# Altium PCB STM32F7_CoreBoard.PcbDoc (part 6 of 8)
Units mm, origin at the board's own origin, x right, y up, seen from the top; angles counter-clockwise.
Board outline 65 x 50 mm, 6 copper layers (L1, L2, L3, L4, L5, L6), stack 1.597 mm thick; 114 components, 192 nets, 736 pads, 791 vias.
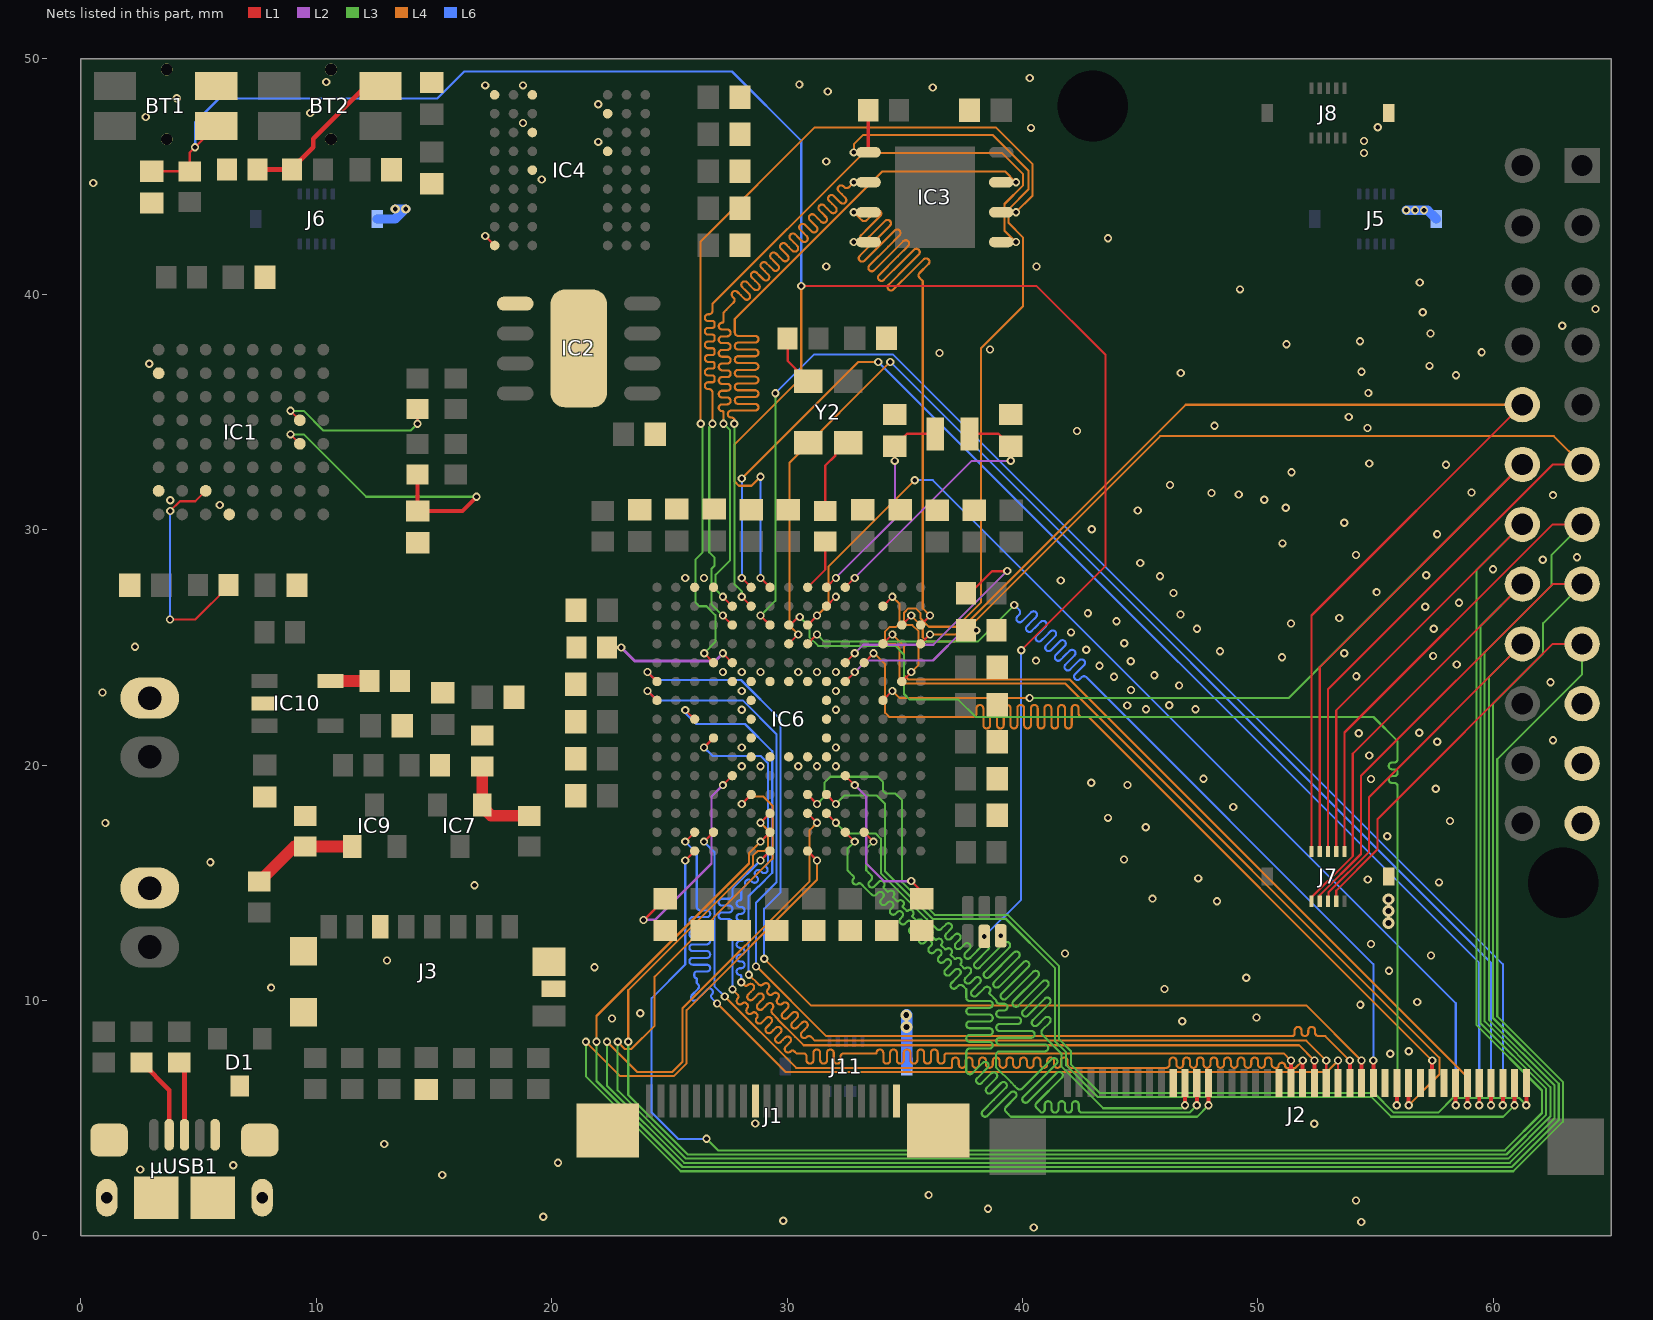
[diagram p10: the nets of this part, all layers, seen from the top]

## Via types
v1: diameter 0.35, hole 0.2, L1 to L6, tented both sides, 737 vias
v2: diameter 0.5, hole 0.25, L1 to L6, tented both sides, 20 vias
v3: diameter 0.4, hole 0.2, L1 to L6, tented both sides, 16 vias
v4: diameter 0.5, hole 0.2, L1 to L6, 12 vias
v5: diameter 0.5, hole 0.5, L1 to L6, 4 vias
v6: diameter 0.6, hole 0.3, L1 to L6, tented both sides, 2 vias

## Nets (pads, with @x,y where several pads share a name; then routed paths per layer and width w, separated by ;. In a path a pad name is that pad's centre, name@x,y a point inside that pad or via, vN(x,y) a via of type N, cw(c..) or ccw(c..) an arc to the next point about the centre after c; other vN are vias at no path point) (continued)
G5: IC6.E14 J2.13 | length 46.5
  L1 w0.089: IC6.E14@32.47,17.152 v1(32.87,16.752)
  L1 w0.169: v1(47.9,5.55) J2.13@47.9,6.5
  L3 w0.089: v1(32.87,16.752) 32.562,16.443 32.562,15.53 32.664,15.427 32.819,15.273 cw(c32.769,15.223) 32.819,15.174 ccw(c32.921,15.072) 32.819,14.969 ccw(c32.921,15.072) 33.023,14.969 cw(c33.073,14.92) 33.122,14.969 33.164,14.928 33.179,14.913 33.281,14.811 33.485,14.606 33.587,14.504 ccw(c33.689,14.606) 33.791,14.504 33.861,14.574 cw(c33.963,14.471) 34.065,14.574 cw(c33.963,14.471) 34.065,14.369 33.996,14.3 ccw(c34.098,14.198) 33.996,14.096 ccw(c34.098,14.198) 34.2,14.096 34.269,14.165 cw(c34.371,14.063) 34.474,14.165 cw(c34.371,14.063) 34.474,13.961 34.404,13.891 ccw(c34.506,13.789) 34.404,13.687 ccw(c34.506,13.789) 34.609,13.687 34.678,13.756 cw(c34.78,13.654) 34.882,13.756 cw(c34.78,13.654) 34.882,13.552 34.813,13.483 ccw(c34.915,13.381) 34.813,13.279 ccw(c34.915,13.381) 35.017,13.279 35.086,13.348 cw(c35.189,13.246) 35.291,13.348 cw(c35.189,13.246) 35.291,13.144 35.221,13.074 ccw(c35.324,12.972) 35.221,12.87 ccw(c35.324,12.972) 35.426,12.87 35.495,12.939 cw(c35.597,12.837) 35.699,12.939 cw(c35.597,12.837) 35.699,12.735 35.63,12.666 ccw(c35.732,12.564) 35.63,12.461 ccw(c35.732,12.564) 35.834,12.461 35.904,12.531 cw(c36.006,12.429) 36.108,12.531 cw(c36.006,12.429) 36.108,12.327 36.039,12.257 ccw(c36.141,12.155) 36.039,12.053 ccw(c36.141,12.155) 36.243,12.053 36.312,12.122 cw(c36.414,12.02) 36.516,12.122 cw(c36.414,12.02) 36.516,11.918 ; 36.516,11.918 36.447,11.849 ccw(c36.549,11.746) 36.447,11.644 ccw(c36.549,11.746) 36.651,11.644 36.721,11.714 cw(c36.823,11.612) 36.925,11.714 cw(c36.823,11.612) 36.925,11.509 36.753,11.338 36.723,11.307 ccw(c36.825,11.205) 36.723,11.103 ccw(c36.825,11.205) 36.927,11.103 36.958,11.134 37.129,11.305 cw(c37.231,11.203) 37.334,11.305 cw(c37.231,11.203) 37.334,11.101 37.162,10.929 36.98,10.747 ccw(c37.082,10.645) 36.98,10.543 ccw(c37.082,10.645) 37.184,10.543 37.264,10.623 cw(c37.366,10.521) 37.468,10.623 37.571,10.521 37.61,10.481 37.61,10.36 37.61,10.33 37.61,10.27 37.61,10.125 ccw(c37.754,10.125) 37.754,9.981 38.591,9.981 cw(c38.591,9.836) 38.736,9.836 cw(c38.591,9.836) 38.591,9.692 37.754,9.692 ccw(c37.754,9.547) 37.61,9.547 ccw(c37.754,9.547) 37.754,9.403 38.591,9.403 cw(c38.591,9.258) 38.736,9.258 cw(c38.591,9.258) 38.591,9.114 37.754,9.114 ccw(c37.754,8.969) 37.61,8.969 ccw(c37.754,8.969) 37.754,8.825 38.591,8.825 cw(c38.591,8.681) 38.736,8.681 cw(c38.591,8.681) 38.591,8.536 37.754,8.536 ccw(c37.754,8.392) 37.61,8.392 ccw(c37.754,8.392) 37.754,8.247 38.591,8.247 cw(c38.591,8.103) 38.736,8.103 cw(c38.591,8.103) 38.591,7.958 37.754,7.958 ccw(c37.754,7.814) 37.61,7.814 37.61,7.669 37.61,7.525 37.61,6.96 37.66,6.91 ccw(c37.762,7.012) 37.864,6.91 38.306,7.352 cw(c38.408,7.25) 38.51,7.352 cw(c38.408,7.25) 38.51,7.147 38.069,6.706 ccw(c38.171,6.604) 38.069,6.501 ccw(c38.171,6.604) 38.273,6.501 38.678,6.906 cw(c38.78,6.804) 38.882,6.906 cw(c38.78,6.804) 38.882,6.702 38.477,6.297 ccw(c38.579,6.195) 38.477,6.093 ccw(c38.579,6.195) 38.681,6.093 39.086,6.498 cw(c39.189,6.396) 39.291,6.498 cw(c39.189,6.396) 39.291,6.294 38.784,5.786 38.308,5.31 ccw(c38.41,5.208) 38.308,5.106 ccw(c38.41,5.208) 38.512,5.106 38.988,5.582 39.499,6.093 cw(c39.601,5.991) 39.703,6.093 cw(c39.601,5.991) 39.703,5.889 39.294,5.48 ccw(c39.396,5.378) 39.294,5.276 39.396,5.174 39.506,5.064 47.414,5.064 v1(47.9,5.55)
G6: IC6.D14 J2.12 | length 47.3
  L1 w0.089: IC6.D14@33.27,17.152 v1(33.67,16.752)
  L1 w0.169: v1(47.4,5.55) J2.12@47.4,6.5
  L3 w0.089: v1(33.67,16.752) 33.362,16.443 33.362,15.528 33.464,15.426 33.566,15.324 cw(c33.464,15.222) 33.566,15.12 33.497,15.05 ccw(c33.599,14.948) 33.497,14.846 ccw(c33.599,14.948) 33.701,14.846 33.873,15.017 33.895,15.04 cw(c33.997,14.937) 34.099,15.04 cw(c33.997,14.937) 34.099,14.835 ccw(c34.121,14.813) 34.099,14.791 34.259,14.631 ccw(c34.281,14.653) 34.303,14.631 cw(c34.405,14.529) 34.508,14.631 cw(c34.405,14.529) 34.508,14.427 ccw(c34.53,14.405) 34.508,14.382 34.668,14.222 ccw(c34.69,14.245) 34.712,14.222 cw(c34.814,14.12) 34.916,14.222 cw(c34.814,14.12) 34.916,14.018 ccw(c34.938,13.996) 34.916,13.974 35.076,13.814 ccw(c35.098,13.836) 35.12,13.814 cw(c35.223,13.712) 35.325,13.814 cw(c35.223,13.712) 35.325,13.61 ccw(c35.347,13.587) 35.325,13.565 35.485,13.405 ccw(c35.507,13.428) 35.529,13.405 cw(c35.631,13.303) 35.733,13.405 cw(c35.631,13.303) 35.733,13.201 ccw(c35.755,13.179) 35.733,13.157 35.893,12.997 ccw(c35.915,13.019) 35.938,12.997 cw(c36.04,12.895) 36.142,12.997 cw(c36.04,12.895) 36.142,12.793 ccw(c36.164,12.77) 36.142,12.748 36.302,12.588 ccw(c36.324,12.61) 36.346,12.588 cw(c36.448,12.486) 36.55,12.588 cw(c36.448,12.486) 36.55,12.384 ccw(c36.573,12.362) 36.55,12.34 36.71,12.18 ccw(c36.733,12.202) 36.755,12.18 cw(c36.857,12.078) 36.959,12.18 cw(c36.857,12.078) 36.959,11.975 ccw(c36.981,11.953) 36.959,11.931 37.119,11.771 ccw(c37.141,11.793) 37.163,11.771 cw(c37.265,11.669) 37.368,11.771 cw(c37.265,11.669) 37.368,11.567 ccw(c37.39,11.545) 37.368,11.522 37.527,11.363 ccw(c37.55,11.385) 37.572,11.363 cw(c37.674,11.26) 37.776,11.363 cw(c37.674,11.26) 37.776,11.158 37.754,11.136 37.582,10.964 ccw(c37.684,10.862) 37.582,10.76 ccw(c37.684,10.862) 37.787,10.76 37.958,10.932 37.98,10.954 cw(c38.083,10.852) 38.185,10.954 cw(c38.083,10.852) 38.185,10.75 38.162,10.728 37.853,10.418 ccw(c37.955,10.316) 37.853,10.214 ccw(c37.955,10.316) 38.057,10.214 38.367,10.523 38.389,10.545 cw(c38.491,10.443) 38.593,10.545 cw(c38.491,10.443) 38.593,10.341 ccw(c38.615,10.319) 38.593,10.297 38.775,10.115 38.83,10.06 38.88,10.01 ccw(c39.024,10.01) 39.024,9.866 39.213,9.866 cw(c39.213,9.721) 39.358,9.721 cw(c39.213,9.721) 39.213,9.577 39.024,9.577 ccw(c39.024,9.432) 38.88,9.432 ccw(c39.024,9.432) 39.024,9.288 39.791,9.288 cw(c39.791,9.143) 39.935,9.143 cw(c39.791,9.143) 39.791,8.999 39.024,8.999 ccw(c39.024,8.854) 38.88,8.854 ccw(c39.024,8.854) 39.024,8.71 40.369,8.71 cw(c40.369,8.566) 40.513,8.566 cw(c40.369,8.566) 40.369,8.421 39.024,8.421 ccw(c39.024,8.277) 38.88,8.277 ccw(c39.024,8.277) 39.024,8.132 40.947,8.132 cw(c40.947,7.988) 41.091,7.988 cw(c40.947,7.988) 40.947,7.843 39.024,7.843 ccw(c39.024,7.699) 38.88,7.699 38.88,7.554 38.88,7.265 38.88,7.16 38.89,7.15 39.515,6.525 39.675,6.365 39.777,6.263 ccw(c39.879,6.365) 39.981,6.263 41.236,7.517 cw(c41.338,7.415) 41.44,7.517 cw(c41.338,7.415) 41.44,7.313 40.083,5.957 40.029,5.903 ccw(c40.131,5.8) 40.029,5.698 ccw(c40.131,5.8) 40.234,5.698 40.288,5.752 41.466,6.93 cw(c41.568,6.828) 41.67,6.93 cw(c41.568,6.828) 41.67,6.726 40.594,5.65 ccw(c40.696,5.548) 40.594,5.446 40.696,5.344 40.798,5.242 ccw(c40.798,5.386) 40.943,5.386 40.943,5.581 cw(c41.087,5.581) 41.087,5.726 cw(c41.087,5.581) 41.232,5.581 41.232,5.386 ccw(c41.376,5.386) 41.376,5.242 ccw(c41.376,5.386) 41.521,5.386 41.521,5.581 cw(c41.665,5.581) 41.665,5.726 cw(c41.665,5.581) 41.809,5.581 41.809,5.386 ccw(c41.954,5.386) 41.954,5.242 ccw(c41.954,5.386) 42.098,5.386 42.098,5.581 cw(c42.243,5.581) 42.243,5.726 cw(c42.243,5.581) 42.387,5.581 42.387,5.386 ccw(c42.532,5.386) 42.532,5.242 42.676,5.242 42.77,5.242 47.092,5.242 v1(47.4,5.55)
G7: IC6.F13 J2.11 | length 47.2
  L1 w0.089: IC6.F13@31.67,17.952 v1(32.07,17.552)
  L1 w0.169: v1(46.9,5.55) J2.11@46.9,6.5
  L3 w0.089: v1(32.07,17.552) 32.523,17.099 33.759,17.099 33.979,16.88 33.979,15.411 35.938,13.452 36.04,13.35 36.244,13.146 36.347,13.043 ccw(c36.449,13.146) 36.551,13.043 36.751,13.244 cw(c36.853,13.142) 36.956,13.244 cw(c36.853,13.142) 36.956,13.039 36.755,12.839 ccw(c36.857,12.737) 36.755,12.635 ccw(c36.857,12.737) 36.959,12.635 37.123,12.799 cw(c37.225,12.696) 37.328,12.799 cw(c37.225,12.696) 37.328,12.594 37.164,12.431 ccw(c37.266,12.328) 37.164,12.226 ccw(c37.266,12.328) 37.368,12.226 37.542,12.4 cw(c37.644,12.298) 37.747,12.4 cw(c37.644,12.298) 37.747,12.196 37.572,12.022 ccw(c37.674,11.92) 37.572,11.818 ccw(c37.674,11.92) 37.777,11.818 38.338,12.379 cw(c38.44,12.277) 38.542,12.379 cw(c38.44,12.277) 38.542,12.175 37.981,11.613 ccw(c38.083,11.511) 37.981,11.409 ccw(c38.083,11.511) 38.185,11.409 39.224,12.448 cw(c39.327,12.346) 39.429,12.448 cw(c39.327,12.346) 39.429,12.244 38.389,11.205 ccw(c38.492,11.103) 38.389,11.001 ccw(c38.492,11.103) 38.594,11.001 39.633,12.04 cw(c39.735,11.938) 39.837,12.04 cw(c39.735,11.938) 39.837,11.836 38.798,10.796 ccw(c38.9,10.694) 38.798,10.592 ccw(c38.9,10.694) 39.002,10.592 40.042,11.631 cw(c40.144,11.529) 40.246,11.631 cw(c40.144,11.529) 40.246,11.427 39.104,10.286 ccw(c39.196,10.194) 39.104,10.102 39.125,10.081 ccw(c39.217,10.173) 39.309,10.081 40.45,11.223 cw(c40.552,11.121) 40.654,11.223 cw(c40.552,11.121) 40.654,11.018 39.615,9.979 ccw(c39.717,9.877) 39.615,9.775 ccw(c39.717,9.877) 39.819,9.775 40.859,10.814 cw(c40.961,10.712) 41.063,10.814 cw(c40.961,10.712) 41.063,10.61 40.024,9.571 ccw(c40.126,9.468) 40.024,9.366 ccw(c40.126,9.468) 40.228,9.366 40.946,10.084 cw(c41.048,9.982) 41.15,10.084 cw(c41.048,9.982) 41.15,9.88 40.432,9.162 ccw(c40.534,9.06) 40.432,8.958 ccw(c40.534,9.06) 40.637,8.958 40.946,9.267 cw(c41.048,9.165) 41.15,9.267 cw(c41.048,9.165) 41.15,9.062 40.841,8.753 ccw(c40.943,8.651) 40.841,8.549 40.89,8.5 41.66,7.73 41.66,7.191 43.426,5.425 46.775,5.425 v1(46.9,5.55)
GND: BT1.2 C1.1 C2.1 C3.2 C4.2 C5.2 C6.2 C9.2 C10.1 C11.2 C12.2 C13.2 C14.2 C15.2 C16.2 C17.2 C25.1 C26.1 C27.1 C28.1 C29.1 C30.1 C31.1 C32.1 C33.1 C34.1 C35.1 C36.1 C37.1 C38.1 C39.1 C40.1 C41.1 C42.1 C43.1 C44.1 C45.1 C46.1 C47.1 C48.1 C49.1 C50.1 C51.1 C52.1 C53.1 C54.1 C55.1 C56.1 C58.1 C61.1 C62.1 D1.3 IC1.E8 IC1.H2 IC1.H7 IC2.1 IC2.EP IC3.4 IC4.A1 IC4.A3 IC4.B7 IC4.C3 IC4.D7 IC4.E3 IC4.J1 IC6.F2 IC6.F6 IC6.F7 IC6.F8 IC6.F9 IC6.F10 IC6.G6 IC6.G10 IC6.H6 IC6.H10 IC6.J6 IC6.J10 IC6.K6 IC6.K7 IC6.K8 IC6.K9 IC6.K10 IC6.L6 IC6.M1 IC6.N1 IC10.2 J1.10 J1.22 J1.MP1 J1.MP2 J2.10 J2.19 J2.28 J2.31 J2.33 J3.6 J3.G1 J3.G2 J3.G3 J3.G4 J5.MP1 J6.MP1 J7.MP1 J8.MP1 J9.2 J10.2 J11.MP1 pad.3@39.075,12.75 pad.10 pad.11 pad.12 R16.1 R18.1 R21.1 R29.1 R31.1 R33.1 R34.1 Y2.2 µUSB1.5 µUSB1.S | length 6.6
  L1 w0.089: v1(17.175,42.475) IC4.J1@17.575,42.075 ; IC6.F2@31.67,26.753 v1(32.07,27.153)
  L6 w0.4: J6.MP1@12.58,43.2 13.348,43.2 v3@13.773,43.625 ; v3(13.35,43.625) v3@13.773,43.625 ; v3(13.8,43.625) v3@13.773,43.625 ; v1(56.3,43.575) 57.205,43.575 J5.MP1@57.58,43.2
  L6 w0.5: J11.MP1@35.08,7.2 v2@35.08,9.4
  other v1: 40.48,0.36 54.39,0.59 29.83,0.65 19.64,0.82 38.53,1.16 54.16,1.51 36.01,1.74 15.35,2.59 2.52,2.82 6.47,3 20.27,3.11 12.89,3.91 52.39,4.77 28.65,4.775 55.62,7.74 56.4,7.85 46.78,9.12 22.56,9.24 49.94,9.28 23.76,9.46 54.35,9.82 56.77,9.94 46.03,10.49 8.08,10.55 49.5,10.97 55.57,11.27 21.82,11.41 13,11.7 57.35,11.91 41.8,12 54.8,12.4 39.075,12.75 48.26,14.22 45.52,14.33 16.72,14.9 57.69,15.02 54.66,15.14 47.46,15.19 5.5,15.88 44.31,15.99 55.49,16.98 45.23,17.36 1.04,17.54 58.16,17.63 43.63,17.76 48.95,18.22 57.55,19 44.46,19.16 42.92,19.25 47.69,19.42 54.8,19.41 28.07,19.952 28.87,19.952 30.47,19.952 31.27,19.952 32.07,19.952 54.73,20.41 28.07,20.752 32.07,20.752 57.62,20.99 62.53,21.06 54.28,21.35 56.85,21.375 28.07,22.352 32.07,22.352 45.24,22.37 47.35,22.37 44.45,22.53 46.23,22.54 0.92,23.09 28.07,23.152 32.07,23.152 44.61,23.19 46.65,23.38 62.43,23.52 43.88,23.76 54.18,23.78 45.6,23.82 27.27,23.953 28.07,23.953 28.87,23.953 30.47,23.953 31.27,23.953 32.07,23.953 43.27,24.22 58.44,24.273 44.6,24.41 40.57,24.44 51.02,24.58 57.44,24.64 53.66,24.75 48.39,24.84 42.71,24.9 2.3,25.03 44.32,25.18 42.06,25.64 47.41,25.79 57.47,25.79 51.4,26.02 43.99,26.11 53.45,26.247 46.71,26.4 42.775,26.45 57.11,26.73 58.54,26.9 46.41,27.31 55.04,27.35 41.62,27.84 25.67,27.953 26.47,27.953 45.84,28.02 57.15,28.07 59.98,28.32 45,28.59 62.1,28.72 63.55,28.83 54.16,28.93 51.04,29.42 57.61,29.81 42.94,30.02 53.66,30.3 44.89,30.82 51.18,30.93 5.9,31.05 3.8,31.25 50.27,31.27 62.53,31.47 49.18,31.5 48.03,31.56 59.07,31.58 46.26,31.9 51.42,32.44 57.99,32.76 54.725,32.81 42.31,34.19 54.65,34.32 48.15,34.42 53.86,34.79 54.69,35.81 58.41,36.56 46.72,36.66 54.4,36.71 57.29,36.96 2.9,37.05 36.47,37.51 59.5,37.54 38.62,37.66 51.21,37.88 54.33,38.01 57.33,38.335 62.93,38.66 57,39.24 64.34,39.38 49.24,40.21 56.875,40.5 31.66,41.18 40.59,41.18 32.832,42.22 43.63,42.38 56.675,43.575 57.05,43.575 0.52,44.73 19.575,44.875 31.66,45.64 54.5,46 21.975,46.475 54.5,46.51 40.36,47.07 55.09,47.1 18.775,47.275 2.75,47.53 9.74,47.7 21.975,48.075 4.07,48.33 31.72,48.62 36.18,48.79 17.175,48.875 18.775,48.875 30.52,48.91 10.42,49.02 40.31,49.19
  other v2: 35.075,8.875 35.06,9.38 55.55,13.3 55.55,13.8 55.55,14.3
  other v5: 3.65,46.59 10.625,46.59 3.65,49.55 10.625,49.55
GSM_CTS: IC6.B3 J7.5 pad.6@63.77,32.77 | length 55.5
  L1 w0.089: IC6.B3@34.87,25.953 v1(35.27,26.353) ; J7.5@52.975,16.335 52.975,23.224 62.521,32.77 pad.6@63.77,32.77
  L4 w0.089: v1(35.27,26.353) 35.762,25.861 35.762,25.425 35.942,25.244 37.118,25.244 45.849,33.975 62.565,33.975 pad.6@63.77,32.77
GSM_DCD: IC6.J14 J7.8 pad.8 | length 101.1
  L1 w0.089: v1(28.87,16.752) IC6.J14@29.27,17.152 ; J7.8@52.625,14.215 52.625,14.474 54.375,16.224 54.375,19.544 62.521,27.69 pad.8@63.77,27.69
  L3 w0.089: v1(21.901,8.25) 21.901,6.582 25.556,2.928 60.776,2.928 62.775,4.927 62.775,6.472 59.986,9.261 59.986,22.615 62.113,24.743 62.113,26.033 pad.8@63.77,27.69
  L4 w0.089: v1(21.901,8.25) 21.901,9.346 28.379,15.824 28.379,16.26 v1(28.87,16.752)
GSM_DTR: IC6.G13 J7.6 pad.21 | length 97.5
  L1 w0.089: IC6.G13@30.87,17.952 v1(31.27,17.552) ; J7.6@52.975,14.215 52.991,14.231 52.991,14.588 54.725,16.322 54.725,18.645 pad.21@61.23,25.15
  L3 w0.089: v1(22.35,8.25) 22.35,6.385 25.629,3.105 60.703,3.105 62.597,5 62.597,6.398 59.808,9.187 59.808,23.728 pad.21@61.23,25.15
  L4 w0.089: v1(22.35,8.25) 23.633,6.967 25.116,6.967 25.553,7.403 25.553,9.667 30.956,15.07 30.956,17.238 v1(31.27,17.552)
GSM_PWE: IC6.N15 J7.3 pad.19 | length 95.1
  L1 w0.089: v1(25.67,15.952) IC6.N15@26.07,16.352 ; J7.3@53.325,16.335 53.325,22.325 pad.19@61.23,30.23
  L3 w0.089: v1(26.575,4.125) 27.061,3.639 60.482,3.639 62.064,5.221 62.064,6.177 59.275,8.966 59.275,28.275 pad.19@61.23,30.23
  L6 w0.089: v1(25.67,15.952) 25.67,11.531 24.242,10.103 24.242,5.247 25.364,4.125 v1(26.575,4.125)
GSM_RI: IC6.J13 J7.10 pad.20 | length 97.2
  L1 w0.089: v1(28.87,17.552) IC6.J13@29.27,17.952 ; J7.10@52.275,14.215 52.275,14.384 54.025,16.134 54.025,20.485 pad.20@61.23,27.69
  L3 w0.089: v1(23.25,8.25) 23.25,5.987 25.776,3.461 60.555,3.461 62.242,5.148 62.242,6.251 59.453,9.04 59.453,25.913 pad.20@61.23,27.69
  L4 w0.089: v1(23.25,8.25) 23.25,10.444 28.556,15.75 28.556,16.165 28.74,16.349 29.024,16.349 29.179,16.504 29.179,17.244 v1(28.87,17.552)
GSM_RST: IC6.K12 J7.1 pad.7 | length 106.1
  L1 w0.089: v1(28.07,18.352) IC6.K12@28.47,18.752 ; J7.1@53.675,16.335 53.675,21.384 62.521,30.23 pad.7@63.77,30.23
  L3 w0.089: v1(22.8,8.25) 22.8,6.186 25.703,3.283 60.629,3.283 62.42,5.074 62.42,6.325 59.63,9.114 59.63,24.8 62.475,27.644 62.475,28.935 pad.7@63.77,30.23
  L4 w0.089: v1(22.8,8.25) 23.108,7.942 23.378,7.942 24.372,8.936 24.372,11.018 29.375,16.02 29.375,18.283 28.998,18.66 28.379,18.66 v1(28.07,18.352)
GSM_RTS: IC6.C7 J7.7 pad.18 | length 51.6
  L1 w0.089: IC6.C7@34.07,22.752 v1(34.47,23.152) ; J7.7@52.625,16.335 52.625,24.165 pad.18@61.23,32.77
  L3 w0.089: v1(40.3,22.85) 51.31,22.85 pad.18@61.23,32.77
  L4 w0.089: v1(34.47,23.152) 34.779,22.844 v1@40.3,22.844
GSM_RX: IC6.G15 J7.4 pad.9 | length 101
  L1 w0.089: IC6.G15@30.87,16.352 v1(31.27,15.952) ; J7.4@53.325,14.215 53.325,14.671 55.075,16.421 55.075,17.704 62.521,25.15 pad.9@63.77,25.15
  L3 w0.089: v1(21.45,8.25) 21.45,6.782 25.482,2.75 60.85,2.75 62.953,4.853 62.953,6.546 60.164,9.335 60.164,20.253 63.77,23.859 pad.9@63.77,25.15
  L4 w0.089: v1(21.45,8.25) 22.911,6.789 25.19,6.789 25.731,7.329 25.731,9.593 31.27,15.133 v1(31.27,15.952)
GSM_TX: IC6.A4 J7.9 pad.17 | length 52.5
  L1 w0.089: IC6.A4@35.67,25.153 v1(36.07,25.553) ; J7.9@52.275,16.335 52.275,26.355 pad.17@61.23,35.31
  L4 w0.089: v1(36.07,25.553) 37.175,25.553 46.932,35.31 pad.17@61.23,35.31
LCD_BL_CTRL: IC6.K1 J2.36 | length 55.7
  L1 w0.089: v1(28.07,27.953) IC6.K1@28.47,27.553
  L1 w0.169: v1(59.4,5.55) J2.36@59.4,6.5
  L4 w0.089: v1(28.075,32.175) 33.025,37.125 v1(33.875,37.125)
  L6 w0.089: v1(28.07,27.953) 28.075,27.958 v1(28.075,32.175) ; v1(33.875,37.125) 59.4,11.6 v1(59.4,5.55)
LCD_CLK: IC6.H3 J2.29 | length 46.9
  L1 w0.089: IC6.H3@30.07,25.953 30.132,25.953 30.47,26.291 v1(30.532,26.291)
  L1 w0.169: v1(55.9,5.55) J2.29@55.9,6.5
  L3 w0.089: v1(30.532,26.291) 30.946,25.877 30.946,25.44 31.32,25.067 34.592,25.067 34.962,24.697 34.962,23.025 35.203,22.783 37.271,22.783 38.01,22.044 54.906,22.044 55.933,21.017 55.933,20.256 cw(c55.789,20.256) 55.789,20.111 55.699,20.111 ccw(c55.699,19.967) 55.554,19.967 ccw(c55.699,19.967) 55.699,19.822 55.789,19.822 cw(c55.789,19.678) 55.933,19.678 cw(c55.789,19.678) 55.789,19.533 55.699,19.533 ccw(c55.699,19.389) 55.554,19.389 ccw(c55.699,19.389) 55.699,19.244 55.789,19.244 cw(c55.789,19.1) 55.933,19.1 55.933,5.583 v1(55.9,5.55)
LCD_DE: IC6.C4 J2.35 | length 35.7
  L1 w0.089: IC6.C4@34.07,25.153 v1(34.47,25.553)
  L1 w0.169: v1(58.9,5.55) J2.35@58.9,6.5
  L4 w0.089: v1(34.47,25.553) 34.956,25.067 34.956,23.83 35.148,23.639 42.011,23.639 58.9,6.75 v1(58.9,5.55)
LCD_DISP: IC6.C2 J2.30 | length 38.1
  L1 w0.089: IC6.C2@34.07,26.753 v1(34.47,27.153)
  L1 w0.169: v1(56.4,5.55) J2.30@56.4,6.5
  L4 w0.089: v1(34.47,27.153) 34.779,26.845 34.779,26.03 34.609,25.861 34.342,25.861 34.162,25.681 34.162,25.288 34.297,25.153 34.597,25.153 34.779,24.971 34.779,23.692 35.009,23.461 41.825,23.461 57.708,7.578 57.708,6.858 v1(56.4,5.55)
LCD_HSYNC: IC6.D5 J2.32 | length 46.7
  L1 w0.089: IC6.D5@33.27,24.353 v1(33.67,24.753)
  L1 w0.169: J2.32@57.4,6.5 v1(57.4,7.45)
  L4 w0.089: v1(33.67,24.753) 33.692,24.753 34.162,24.283 34.162,22.225 34.342,22.044 37.9,22.044 ccw(c37.9,22.188) 38.044,22.188 38.044,22.413 cw(c38.189,22.413) 38.189,22.558 cw(c38.189,22.413) 38.333,22.413 38.333,22.044 38.333,21.703 ccw(c38.478,21.703) 38.478,21.558 ccw(c38.478,21.703) 38.622,21.703 38.622,22.044 38.622,22.413 cw(c38.767,22.413) 38.767,22.558 cw(c38.767,22.413) 38.911,22.413 38.911,22.044 38.911,21.703 ccw(c39.056,21.703) 39.056,21.558 ccw(c39.056,21.703) 39.2,21.703 39.2,22.044 39.2,22.413 cw(c39.344,22.413) 39.344,22.558 cw(c39.344,22.413) 39.489,22.413 39.489,22.044 39.489,21.703 ccw(c39.633,21.703) 39.633,21.558 ccw(c39.633,21.703) 39.778,21.703 39.778,22.044 39.778,22.413 cw(c39.922,22.413) 39.922,22.558 cw(c39.922,22.413) 40.067,22.413 40.067,22.044 40.067,21.703 ccw(c40.211,21.703) 40.211,21.558 ccw(c40.211,21.703) 40.356,21.703 40.356,22.044 40.356,22.413 cw(c40.5,22.413) 40.5,22.558 cw(c40.5,22.413) 40.645,22.413 40.645,22.044 40.645,21.703 ccw(c40.789,21.703) 40.789,21.558 ccw(c40.789,21.703) 40.933,21.703 ; 40.933,21.703 40.933,22.044 40.933,22.413 cw(c41.078,22.413) 41.078,22.558 cw(c41.078,22.413) 41.222,22.413 41.222,22.044 41.222,21.703 ccw(c41.367,21.703) 41.367,21.558 ccw(c41.367,21.703) 41.511,21.703 41.511,22.044 41.511,22.413 cw(c41.656,22.413) 41.656,22.558 cw(c41.656,22.413) 41.8,22.413 41.8,22.044 41.8,21.703 ccw(c41.945,21.703) 41.945,21.558 ccw(c41.945,21.703) 42.089,21.703 42.089,22.044 42.089,22.413 cw(c42.233,22.413) 42.233,22.558 cw(c42.233,22.413) 42.378,22.413 42.378,22.188 ccw(c42.522,22.188) 42.522,22.044 42.667,22.044 42.806,22.044 v1(57.4,7.45)
LCD_INT/YD: IC6.G12 J2.40 | length 43.2
  L1 w0.089: IC6.G12@30.87,18.752 v1(31.27,18.352)
  L1 w0.169: v1(61.4,5.55) J2.40@61.4,6.5
  L3 w0.089: v1(31.27,18.352) 31.579,18.66 31.579,19.253 31.833,19.507 33.848,19.507 34.065,19.29 34.065,18.915 34.18,18.8 34.583,18.8 34.882,18.501 34.882,15.027 36.267,13.642 39.368,13.642 41.555,11.455 41.555,8.355 42.054,7.855 42.054,7.3 43.279,6.075 54.939,6.075 55.772,5.242 57.656,5.242 58.272,5.858 61.092,5.858 v1(61.4,5.55)
LCD_R0: IC6.G4 J2.27 | length 45.3
  L1 w0.089: IC6.G4@30.87,25.153 v1(31.27,25.553)
  L1 w0.169: J2.27@54.9,6.5 v1(54.9,7.45)
  L3 w0.089: v1(31.27,25.553) 31.579,25.244 38.094,25.244 v1(39.65,26.8)
  L6 w0.089: v1(39.65,26.8) 39.752,26.698 39.854,26.596 cw(c39.752,26.494) 39.854,26.391 39.778,26.315 ccw(c39.88,26.213) 39.778,26.111 ccw(c39.88,26.213) 39.983,26.111 40.161,26.289 40.365,26.493 cw(c40.467,26.391) 40.569,26.493 cw(c40.467,26.391) 40.569,26.289 40.365,26.085 40.187,25.907 ccw(c40.289,25.805) 40.187,25.703 ccw(c40.289,25.805) 40.391,25.703 40.569,25.881 40.773,26.085 cw(c40.875,25.983) 40.977,26.085 cw(c40.875,25.983) 40.977,25.88 40.774,25.676 40.595,25.498 ccw(c40.698,25.396) 40.595,25.294 ccw(c40.698,25.396) 40.8,25.294 40.978,25.472 41.182,25.676 cw(c41.284,25.574) 41.386,25.676 cw(c41.284,25.574) 41.386,25.472 41.182,25.268 41.004,25.09 ccw(c41.106,24.988) 41.004,24.885 ccw(c41.106,24.988) 41.208,24.885 41.386,25.064 41.59,25.268 cw(c41.692,25.165) 41.795,25.268 cw(c41.692,25.165) 41.795,25.063 41.591,24.859 41.413,24.681 ccw(c41.515,24.579) 41.413,24.477 ccw(c41.515,24.579) 41.617,24.477 41.795,24.655 41.999,24.859 cw(c42.101,24.757) 42.203,24.859 cw(c42.101,24.757) 42.203,24.655 41.999,24.451 41.821,24.273 ccw(c41.923,24.17) 41.821,24.068 ccw(c41.923,24.17) 42.025,24.068 42.204,24.246 42.407,24.45 cw(c42.51,24.348) 42.612,24.45 cw(c42.51,24.348) 42.612,24.246 42.408,24.042 42.23,23.864 ccw(c42.332,23.762) 42.23,23.66 ccw(c42.332,23.762) 42.434,23.66 42.51,23.736 cw(c42.612,23.634) 42.714,23.736 54.9,11.55 v1(54.9,7.45)